# KiCad board AMC_FMC_Carrier-PcbDoc.kicad_pcb (continued)
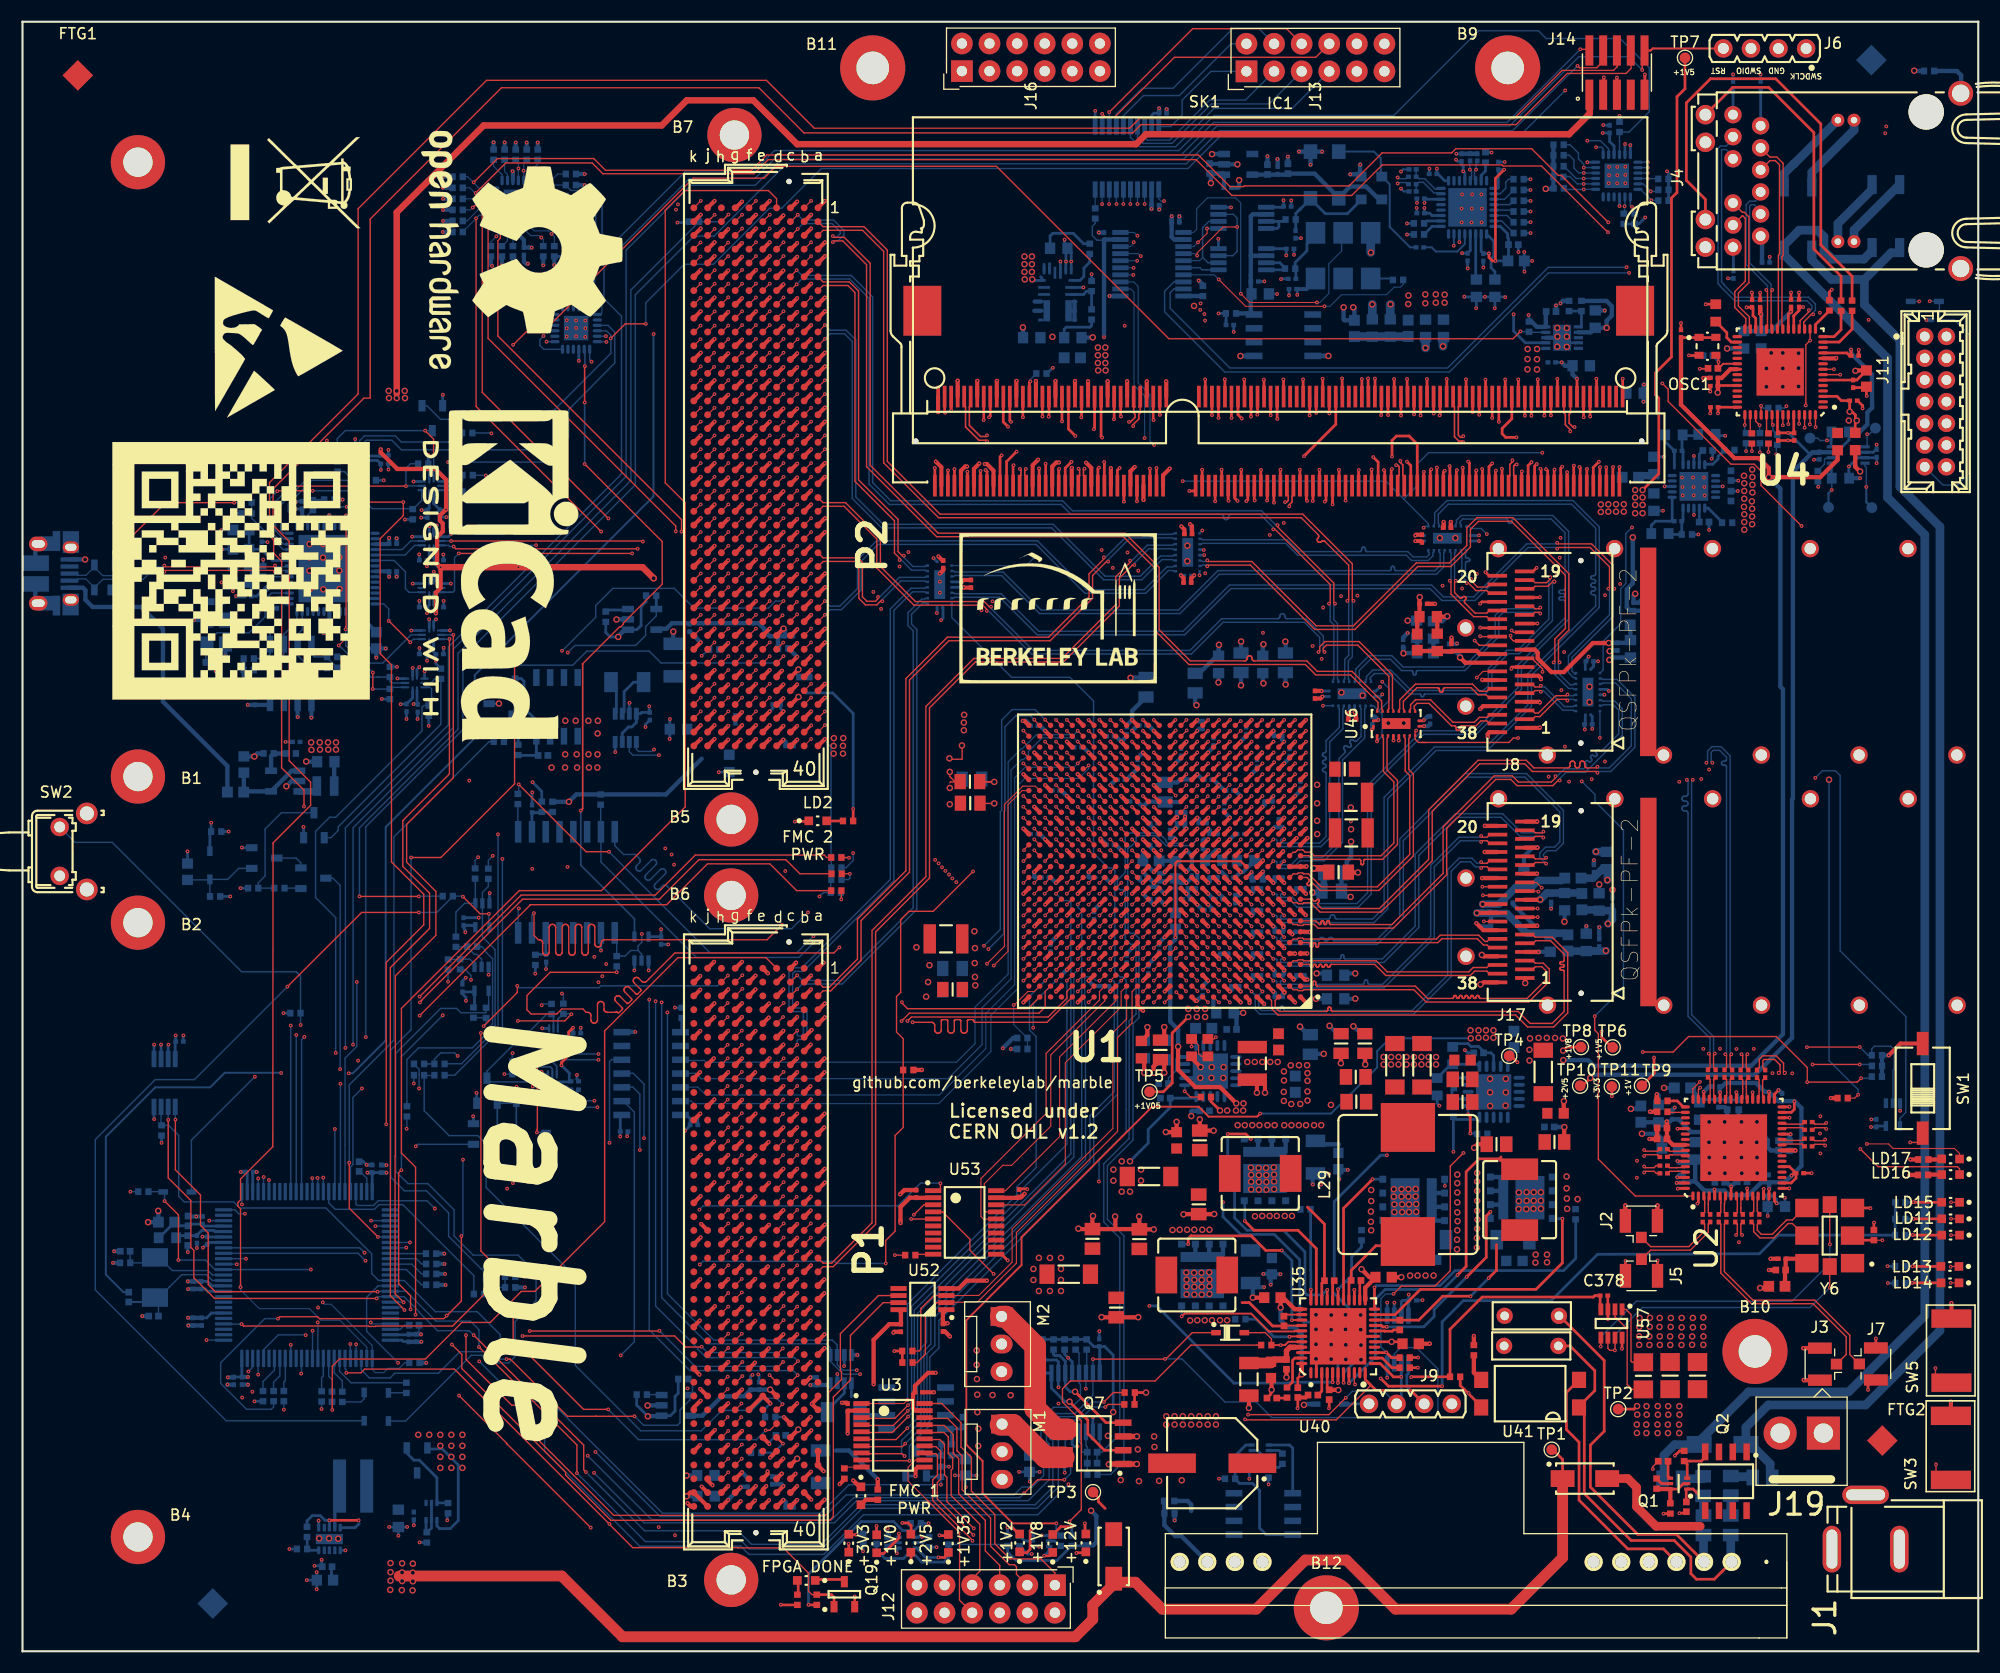
[diagram p0: board, top side]
## Routing (per net, layer and track width the routed paths; a pad name or vN(x,y) marks a point on that pad's centre or on a via; arc(x,y) is an arc through that point) (continued)
FMC2_LA_23_N: length 58.3
  Top w0.11: U1.H24 v1(94.12,66.73)
  Top w0.112: P2.D24 v1(70.04,104.3)
  In2.Cu w0.1: v1(70.04,104.3) 70.53,104.79 72.74,104.79 73.07,104.45 73.07,83.66 73.4,83.34 73.4,79.4 73.95,78.85 73.95,76.58 83.44,67.08 94.27,67.08 94.49,66.86 94.49,66.76 94.46,66.73 v1(94.12,66.73)
FMC2_LA_23_P: length 58.7
  Top w0.11: U1.H23 v1(95.12,66.73)
  Top w0.112: P2.D23 v1(70.04,105.57)
  In2.Cu w0.1: v1(95.12,66.73) 94.79,66.73 94.72,66.8 94.72,67.05 94.39,67.37 83.56,67.37 74.24,76.7 74.24,78.97 73.69,79.52 73.69,83.46 73.36,83.78 73.36,104.57 72.86,105.08 70.53,105.08 v1(70.04,105.57)
FMC2_LA_24_N: length 55.1
  Top w0.11: U1.J25 v1(93.12,67.73)
  Top w0.112: P2.H29 v1(64.96,97.95)
  In7.Cu w0.1: v1(93.12,67.73) 93.41,67.73 93.47,67.79 93.47,67.9 93.29,68.09 84.38,68.09 79.34,73.13 79.34,74.2 77.1,76.44 77.1,84.98 75.44,86.65 75.44,96.98 73.99,98.44 65.45,98.44 v1(64.96,97.95)
FMC2_LA_24_P: length 55.6
  Top w0.11: U1.J24 v1(94.12,67.73)
  Top w0.112: P2.H28 v1(64.96,99.22)
  In7.Cu w0.1: v1(94.12,67.73) 93.83,67.73 93.76,67.79 93.76,68.02 93.41,68.38 84.5,68.38 79.63,73.25 79.63,74.32 77.39,76.56 77.39,85.1 75.73,86.77 75.73,97.1 74.11,98.73 65.45,98.73 v1(64.96,99.22)
FMC2_LA_25_N: length 66.7
  Top w0.11: U1.D24 v1(94.12,62.73)
  Top w0.112: P2.G28 v1(66.23,99.22)
  In2.Cu w0.1: v1(66.23,99.22) 66.23,99.6 66.12,99.71 65.87,99.71 65.71,99.55 65.71,83.5 66.51,82.71 68.9,82.71 69.45,82.16 69.45,70.57 70.1,69.92 72.08,69.92 82.89,59.11 87.67,59.11 89.94,61.37 94.38,61.37 94.47,61.47 94.47,62.38 v1(94.12,62.73)
FMC2_LA_25_P: length 68.2
  Top w0.11: U1.D23 v1(95.12,62.73)
  Top w0.112: P2.G27 v1(66.23,100.49)
  In2.Cu w0.1: v1(95.12,62.73) 94.76,62.38 94.76,61.35 94.5,61.08 90.06,61.08 87.79,58.82 82.77,58.82 71.96,69.63 69.98,69.63 69.16,70.45 69.16,82.04 68.78,82.42 66.39,82.42 65.42,83.38 65.42,99.67 65.75,100 66.12,100 66.23,100.1 v1(66.23,100.49)
FMC2_LA_26_N: length 55.1
  Top w0.11: 92.61,64.23 92.13,63.74
  Top w0.112: P2.D27 v1(70.04,100.49)
  In2.Cu w0.1: 92.13,63.74 92.35,63.96 92.35,64.05 92.31,64.09 89.61,64.09 89.41,63.89 81.91,63.89 71.87,73.93 71.87,76.91 71.29,77.49 71.29,82.83 70.55,83.56 70.55,100.75 70.32,100.98 70.13,100.98 70.04,100.88 v1(70.04,100.49)
  vias: v1(92.13,63.73)
FMC2_LA_26_P: length 55.7
  Top w0.11: v1(93.14,64.73) 93.62,65.21 93.62,65.24
  Top w0.112: P2.D26 v1(70.04,101.76)
  In2.Cu w0.1: v1(93.14,64.73) 92.78,64.38 89.49,64.38 89.29,64.18 82.03,64.18 72.16,74.05 72.16,77.03 71.58,77.61 71.58,82.95 70.84,83.68 70.84,100.87 70.44,101.27 70.15,101.27 70.04,101.37 v1(70.04,101.76)
FMC2_LA_27_N: length 57.7
  Top w0.11: U1.G21 v1(97.12,65.73)
  Top w0.112: P2.C27 v1(71.31,100.49)
  In2.Cu w0.1: v1(97.12,65.73) 96.76,66.09 89.89,66.09 89.24,65.43 83.17,65.43 76.47,72.12 75.61,72.12 73.02,74.71 73.02,77.72 72.29,78.45 72.29,83.12 71.78,83.62 71.78,87.5 71.9,87.62 71.9,90.59 71.78,90.71 71.78,100.83 71.64,100.98 71.41,100.98 71.31,100.87 v1(71.31,100.49)
FMC2_LA_27_P: length 57.7
  Top w0.11: U1.H21 v1(97.12,66.73)
  Top w0.112: P2.C26 v1(71.31,101.76)
  In2.Cu w0.1: v1(71.31,101.76) 71.31,101.38 71.42,101.27 71.76,101.27 72.07,100.95 72.07,90.83 72.19,90.71 72.19,87.5 72.07,87.38 72.07,83.74 72.58,83.24 72.58,78.57 73.31,77.84 73.31,74.83 75.73,72.41 76.59,72.41 83.29,65.72 89.12,65.72 89.77,66.38 96.76,66.38 v1(97.12,66.73)
FMC2_LA_28_N: length 53.1
  Top w0.11: 92.64,66.24 92.64,66.23 v1(92.14,65.73)
  Top w0.112: P2.H32 v1(64.96,94.14)
  In7.Cu w0.1: v1(64.96,94.14) 65.45,94.63 66.35,94.63 66.76,94.21 66.76,93.74 67.19,93.31 72.82,93.31 73.07,93.07 73.07,81.76 73.71,81.12 73.71,74.41 75.94,72.17 77.32,72.17 84.03,65.46 88.41,65.46 89.03,66.08 92.33,66.08 92.49,65.92 92.49,65.82 92.4,65.73 v1(92.14,65.73)
FMC2_LA_28_P: length 53.6
  Top w0.11: v1(93.14,65.73) 93.64,66.23 93.64,66.24
  Top w0.112: P2.H31 v1(64.96,95.41)
  In7.Cu w0.1: v1(64.96,95.41) 65.45,94.92 66.47,94.92 67.05,94.33 67.05,93.86 67.31,93.6 72.95,93.6 73.36,93.19 73.36,81.88 74,81.24 74,74.53 76.06,72.46 77.44,72.46 84.15,65.75 88.29,65.75 88.91,66.37 92.45,66.37 92.78,66.04 92.78,65.78 92.83,65.73 v1(93.14,65.73)
FMC2_LA_29_N: length 50.5
  Top w0.11: v1(92.13,66.73) 92.61,67.21 92.62,67.21
  Top w0.112: P2.G31 v1(66.23,95.41)
  In7.Cu w0.1: v1(66.23,95.41) 66.72,95.9 67.62,95.9 67.89,95.62 67.89,95.06 68.26,94.69 72.87,94.69 73.16,94.4 73.16,93.88 73.61,93.43 74.12,93.43 74.56,92.99 74.56,86.12 76.14,84.54 76.14,81.38 75.74,80.98 75.74,75.19 83.85,67.08 91.77,67.08 v1(92.13,66.73)
FMC2_LA_29_P: length 50.5
  Top w0.11: 92.61,68.22 v1(92.13,67.73)
  Top w0.112: P2.G30 v1(66.23,96.68)
  In7.Cu w0.1: v1(66.23,96.68) 66.72,96.19 67.74,96.19 68.18,95.74 68.18,95.18 68.38,94.98 72.99,94.98 73.45,94.52 73.45,94 73.73,93.72 74.24,93.72 74.85,93.11 74.85,86.24 76.43,84.66 76.43,81.26 76.03,80.86 76.03,75.31 83.97,67.37 91.77,67.37 v1(92.13,67.73)
FMC2_LA_30_N: length 50.4
  Top w0.11: 92.62,62.21 92.6,62.21 v1(92.13,61.73)
  Top w0.112: P2.H35 v1(64.96,90.33)
  In7.Cu w0.1: v1(64.96,90.33) 65.45,90.82 69.85,90.82 70.59,90.08 70.59,78.68 71.54,77.72 71.54,73.59 82.89,62.23 85.68,62.23 86.01,62.56 88.05,62.56 88.53,62.08 91.77,62.08 v1(92.13,61.73)
FMC2_LA_30_P: length 50.4
  Top w0.11: 92.62,63.22 v1(92.13,62.73)
  Top w0.112: P2.H34 v1(64.96,91.6)
  In7.Cu w0.1: v1(64.96,91.6) 65.45,91.11 69.97,91.11 70.88,90.2 70.88,78.8 71.83,77.84 71.83,73.71 83.01,62.52 85.56,62.52 85.89,62.85 88.17,62.85 88.65,62.37 91.77,62.37 v1(92.13,62.73)
FMC2_LA_31_N: length 55.6
  Top w0.11: U1.E22 v1(96.12,63.73)
  Top w0.112: P2.G34 v1(66.23,91.6)
  In7.Cu w0.1: v1(96.12,63.73) 96.47,64.09 96.47,64.98 96.37,65.09 91.18,65.09 90,63.91 83.87,63.91 76.97,70.82 75.9,70.82 72.58,74.14 72.58,78.56 71.8,79.34 71.8,87.52 71.9,87.62 71.9,90.59 71.8,90.69 71.8,91.8 71.52,92.09 66.72,92.09 v1(66.23,91.6)
FMC2_LA_31_P: length 56.1
  Top w0.11: U1.E21 v1(97.12,63.73)
  Top w0.112: P2.G33 v1(66.23,92.87)
  In7.Cu w0.1: v1(97.12,63.73) 96.76,64.09 96.76,65.1 96.49,65.38 91.06,65.38 89.88,64.2 83.99,64.2 77.09,71.11 76.02,71.11 72.87,74.26 72.87,78.68 72.09,79.46 72.09,87.4 72.19,87.5 72.19,90.71 72.09,90.81 72.09,91.92 71.64,92.38 66.72,92.38 v1(66.23,92.87)
FMC2_LA_32_N: length 55.7
  Top w0.11: v1(98.12,59.74) 98.62,60.24 98.63,60.24
  Top w0.112: P2.H38 v1(64.96,86.52)
  In7.Cu w0.1: v1(64.96,86.52) 65.45,87.01 67.6,87.01 68.07,86.53 68.07,83.02 68.58,82.51 68.58,70.98 70.62,68.95 72.44,68.95 82.05,59.35 89.09,59.35 89.84,60.09 97.77,60.09 v1(98.12,59.74)
FMC2_LA_32_P: length 55.7
  Top w0.11: 98.63,61.24 98.62,61.24 v1(98.12,60.74)
  Top w0.112: P2.H37 v1(64.96,87.79)
  In2.Cu w0.079: v1(64.96,87.79) 64.95,87.78
  In7.Cu w0.1: v1(64.96,87.79) 65.45,87.3 67.72,87.3 68.36,86.65 68.36,83.14 68.87,82.63 68.87,71.1 70.74,69.24 72.56,69.24 82.17,59.64 88.97,59.64 89.72,60.38 94.95,60.38 94.95,60.38 97.77,60.38 v1(98.12,60.74)
FMC2_LA_33_N: length 52.9
  Top w0.11: v1(97.12,60.74) 97.13,60.74 U1.B21
  Top w0.112: v1(66.23,87.79) P2.G37 65.59,87.18
  In7.Cu w0.1: v1(66.23,87.79) 66.72,88.28 68.91,88.28 69.28,87.9 69.28,83.34 69.77,82.85 69.77,73.82 74.78,68.82 74.78,68.39 82.38,60.8 85.24,60.8 85.68,60.35 88.56,60.35 89.3,61.09 96.77,61.09 v1(97.12,60.74)
FMC2_LA_33_P: length 52.9
  Top w0.11: U1.C21 v1(97.12,61.73)
  Top w0.112: 65.62,88.42 P2.G36 v1(66.23,89.06)
  In7.Cu w0.1: v1(66.23,89.06) 66.72,88.57 69.03,88.57 69.57,88.02 69.57,83.46 70.06,82.97 70.06,73.94 75.07,68.94 75.07,68.51 82.5,61.09 85.36,61.09 85.8,60.64 88.44,60.64 89.18,61.38 96.77,61.38 v1(97.12,61.73)
MGTAVCC: length 16.7
  Top w0.254: v2(107.29,58.39) 105.81,56.91 105.81,52.31 105,51.5 TP5.1
  Top w0.381: U1.G6 v1(113.12,65.73) ; U1.L6 v1(113.12,69.73) ; U1.E6 v1(113.12,63.73) ; U1.J6 v1(113.12,67.73) ; U1.C6 v1(113.12,61.73)
  Bottom w0.381: C219.1 113.27,67.88 v1(113.12,67.73) ; v1(113.12,69.73) 113.27,69.88 C381.1 ; v1(113.12,65.73) 113.27,65.88 C4.1 ; v1(113.12,63.73) 113.27,63.88 C217.1 ; C221.1 113.27,61.88 v1(113.12,61.73)
  Bottom w0.4: 109.6,59.91 109.6,59.1 109.87,58.83 C1.1
  vias: v2(107.29,59.13) v2(108.08,59.13) v2(108.08,58.39) v2(108.84,59.13) v2(108.84,58.39)
MGTAVTT: length 97.7
  Top w0.178: v1(113.91,49.5) 113.63,49.22 109.17,49.22 108.25,50.13 103.96,50.13 91.95,38.12 91.95,35.56 86.87,30.48 86.87,19.02 88.36,17.52 88.36,14.54 91.13,11.78 v1(95.15,11.78)
  Top w0.381: U1.M3 v1(116.12,70.73) ; U1.L2 v1(117.12,69.73) ; v1(117,61.83) 117,61.85 U1.C2 ; v1(116.15,60.64) 116.15,60.7 U1.B3 ; 114.13,71.74 113.87,71.48 113.87,71.48 U1.M5 ; v1(116.05,66.66) 116.05,66.8 U1.H3 ; v1(116.87,65.99) 116.64,66.23 U1.G2 ; U1.D3 116.12,62.73 116.12,62.7 v1(116.1,62.68)
  Bottom w0.178: R253.1 95.15,11.05 v1(95.15,11.78) ; v1(113.91,49.5) 120.43,49.5 124.67,53.74 124.67,55.25 125.85,56.42 v2(133.29,56.42)
  Bottom w0.381: v1(116.12,70.73) 115.97,70.88 C380.1 ; v1(117.12,69.73) 117.27,69.88 C234.1 ; v1(116.87,65.99) 117.11,66.23 C232.1 ; v1(117,61.83) 117.27,62.1 C230.1 ; C225.1 v2(119.05,60.06) ; 120.05,62.4 v2(119.1,62.4)
  Bottom w0.4: C236.1 115.97,60.45 v1(116.15,60.64) ; v1(116.1,62.68) 116.1,62.36 C238.1 ; C228.1 116.05,66.31 v1(116.05,66.66) ; R161.2 114.16,71.77 v1(114.16,71.77)
  vias: v2(133.27,57.16) v2(134,57.16) v2(134,56.47) v2(134.69,57.16) v2(134.69,56.47) v2(135.38,57.16) v2(135.38,56.47)
VTT_DDR3: length 3.4
  Top w0.254: v1(147.28,117.14) 147.27,117.12 SK1.204 ; v1(146.99,109.01) 146.97,108.99 SK1.203
Net-(C28-Pad1): length 4.7
  Top w0.4: Y6.6 163.82,36.13 C29.1 162.27,36.11 C28.1 162.22,35.04 L19.2
Net-(C38-Pad1): length 3.7
  Bottom w0.254: U30.2 46.89,77.19 C38.1 47.72,77.2 R224.2 47.8,77.26 R225.2
Net-(C39-Pad1): length 3
  Bottom w0.254: U30.14 48.16,64.18 C39.1 47.24,64.15 R227.2
Net-(C42-Pad2): length 16.1
  Top w0.254: U4.38 156.04,116.51 156.04,116.52 ; U4.26 159.52,122.69 159.27,122.94 159.27,123.69 ; v1(158.68,123.71) 158.68,123.71 C52.1 ; U4.3 167,115.51 167.4,115.12 C46.1 168.16,114.33 168.69,113.8 168.69,113.33 168.68,113.32 C42.2 ; 163.51,123.56 163.51,123.42 163.02,122.93 U4.19 ; C48.1 163.51,123.73 v1(163.88,123.73)
  Top w0.4: U4.35 157.18,118.01 156.37,117.2 156.04,117.2 156.04,115.88 v2(156.02,115.86)
  vias: v2(168.08,113.29) v2(168.16,114.11) v2(168.82,113.29)
Net-(C47-Pad2): length 11.5
  Top w0.254: 162.72,123.68 C51.1 ; U4.20 162.52,123.07 v1(162.75,123.3) ; U4.25 160.02,122.88 160,122.89 v1(160,123.07) 160,123.69
  Top w0.4: C51.1 162.77,123.32 v1(162.75,123.3) ; C49.1 159.92,123.15 v1(160,123.07)
  Bottom w0.4: v1(162.75,123.3) 160.98,121.53 C47.2 ; C47.2 160.02,123.06 v1(160,123.07) ; C47.2 160,121.52 L4.2
Net-(C58-Pad1): length 2.4
  Bottom w0.254: J4.7 157.43,141.45 C58.1
Net-(C59-Pad1): length 3.4
  Bottom w0.254: C59.1 159.97,140.43 J4.1
Net-(C60-Pad1): length 2.7
  Bottom w0.254: 160.13,130.11 J4.6
  Bottom w0.4: J4.6 160.1,130.13 C60.1
Net-(C71-Pad2): length 4.1
  Bottom w0.254: U47.16 152.83,110.4 C71.2 152.73,111.89 152.72,111.9 154.15,111.9
Net-(C73-Pad1): length 1.4
  Bottom w0.254: U47.19 154.33,110.21 C73.1
Net-(C75-Pad2): length 3.7
  Bottom w0.254: R70.2 151.58,102.81 R71.1 152.71,104.02 C75.2 152.83,104.15 U47.10
Net-(C77-Pad2): length 1.3
  Bottom w0.254: C77.2 154.33,103.96 U47.7
Net-(C93-Pad1): length 10.4
  Bottom w0.127: U54.13 17.47,34.64 17.07,35.04 13.79,35.04 12.38,36.45 ; C93.1 9.9,35.77 R132.1 11.69,35.75 Y5.2
Net-(C102-Pad1): length 11.7
  Bottom w0.127: 11.79,32.15 Y5.1 12.51,32.23 C92.1 ; U54.12 17.46,34.14 16.94,34.66 14.65,34.66 12.37,32.38
  Bottom w0.178: C102.1 11.79,32.15
Net-(C106-Pad1): length 14.4
  Bottom w0.4: 113.04,123.03 113.04,126.67 113.04,126.68 113.04,132.09 113.23,132.27 U19.2
  Bottom w0.402: 114.48,128.47 U16.2 114.26,128.46 114.26,128.46 113.04,128.46 ; 113.76,123.05 U14.8 113.25,123.15 R58.1 ; C106.1 113.33,124.73
Net-(C107-Pad1): length 13.8
  Bottom w0.402: U13.5 116.37,135.92 C107.1 118.92,136.02 121.14,133.8 ; 121.14,133.8 Y2.4 ; 121.14,133.8 122.17,134.82 123.67,134.82 125.01,133.49 125.01,133.45
Net-(C111-Pad1): length 5
  Bottom w0.802: L12.1 127.52,121.01 L11.2
Net-(C114-Pad1): length 5.2
  Bottom w0.178: U20.21 132.75,129.54 132.06,128.85 130.08,128.85 129.69,129.23 C114.1
Net-(C114-Pad2): length 14
  Bottom w0.178: Y2.3 124.38,138.05 125.01,137.42 125.01,135.87 125.83,135.04 125.83,131.11 127.71,129.23 C114.2
Net-(C120-Pad1): length 4.2
  Bottom w0.254: U20.19 133.75,126.33 C120.1
Net-(C121-Pad1): length 4.7
  Bottom w0.254: C121.1 135.51,127 135.16,127.35 135.16,128.18 135.41,128.43 135.41,129.8 U20.17
Net-(C123-Pad1): length 20
  Top w0.254: v1(136.36,136.38) 135.56,135.58 v1(135.56,127.98) 135.29,127.98 134.97,128.31 v1(134.97,128.67)
  Bottom w0.254: v1(134.97,128.67) 134.96,128.66 C126.1 134.25,128.86 U20.18 ; U20.9 135.75,134.66 135.83,134.74 C210.1 136.36,136.38 v1(136.36,136.38) ; v1(135.56,127.98) L26.1 136.76,128.03 C123.1 136.76,130.05 136.68,130.13 136.68,130.48 136,131.16 U20.16
Net-(C127-Pad1): length 12.8
  Top w0.254: U35.16 126.83,28.49 C127.1 ; U35.4 120.08,24.25 C140.1
  Top w0.4: v2(121.1,24.04) 121.08,24.07 C140.1
  In2.Cu w0.4: v2(126.01,28.49) 126.01,26.94 123.11,24.04 v2(121.1,24.04)
Net-(C128-Pad1): length 14
  Top w0.254: 153.12,13.62 153.12,14.84 Q1.1 153.75,14.93 154.26,14.43
  Top w0.8: 154.41,11.51 150.35,11.51 148.55,13.31 148.55,15.09 147.74,15.9 D4.2
Net-(C129-Pad1): length 131.2
  Top w0.254: D4.1 141.74,17.65 140.84,18.56 TP1.1
  Top w1: 34.67,6.92 49.63,6.92 55.22,1.34 96.9,1.34 98.5,2.94 98.5,4.25 100.43,6.18 100.43,6.35 ; 100.43,6.35 102.42,6.35 104.9,3.88 113.54,3.88 118.06,8.4 121.85,8.4 126.37,3.88 137,3.88 141.74,8.62 D4.1 ; 100.43,6.35 D12.1
  Bottom w0.254: 28.44,7.86 28.44,6.69 C129.1
  vias: v2(33.87,8.12) v2(33.87,7.28) v2(33.87,6.49) v2(33.84,5.65) v2(34.93,8.09) v2(34.93,7.25) v2(34.93,6.47) v2(34.91,5.63) v2(35.93,8.07) v2(35.93,7.23) v2(35.93,6.44) v2(35.9,5.6)
Net-(C132-Pad1): length 8.2
  Top w0.254: v1(28.24,12.06) v1(30.93,12.06)
  Bottom w0.254: R109.1 26.18,12 26.67,12.49 27.4,12.49 27.84,12.06 v1(28.24,12.06) U18.8 ; U18.10 30.61,11.38 30.99,11.75
Net-(C134-Pad2): length 3.6
  Bottom w0.254: R213.2 85.51,20.32 85.37,20.46 Q16.4 86.38,20.46 C134.2
Net-(C135-Pad2): length 3.7
  Bottom w0.254: Q23.4 47.29,82.62 C135.2 45.65,82.46 R214.2
Net-(C138-Pad2): length 2.2
  Top w0.254: U35.3 119.58,23.95 C138.2
Net-(C143-Pad1): length 6.6
  Top w0.254: v1(137.59,54.22) 137,54.8 TP4.1
  Bottom w0.13: 135.41,54.14 135.33,54.21
  Bottom w0.254: 131.63,55.59 R168.1 131.93,55.93 133.04,55.93 133.31,55.67 134.02,55.67 134.47,55.22 C143.1 135.15,55.09 135.39,54.84 U36.18
Net-(C144-Pad1): length 26.6
  Top w0.254: v2(117.73,25.49) 117.37,25.14 C362.1
  Top w0.4: v2(123.24,35.17) 123.97,34.43 C361.1 124.52,34.41 123.58,33.47 U35.23 123.58,32.57 ; v2(115.8,31.64) 115.8,32.54 C144.1 116.02,32.55 117.09,31.49 U35.34 117.35,31.49 ; v2(117.73,25.49) 117.73,25.49 U35.44
  In2.Cu w0.4: v2(115.8,31.64) 119.33,35.17 v2(123.24,35.17)
  Bottom w0.4: v2(115.8,31.64) 115.8,30.47 116.43,29.84 117.07,29.84 117.73,29.18 v2(117.73,25.49)
Net-(C162-Pad1): length 7.7
  Bottom w0.4: U22.1 24.78,81.05 U22.4 20.42,79.15 L10.2 20.37,79.1 C162.1
Net-(C165-Pad1): length 9.7
  Bottom w0.127: U23.4 22.86,97.91 22.08,97.13 22.08,96.93 21.89,96.74 21.89,95.61 21.2,94.92 Y4.1 18.28,95.32 C165.1
Net-(C167-Pad1): length 7.5
  Bottom w0.127: 21.07,98.91 20.86,98.71 C167.1
  Bottom w0.254: L24.2 21.07,99.71 C174.1 21.55,97.12 22.84,98.41 U23.5
Net-(C168-Pad1): length 5.9
  Bottom w0.254: U23.9 23.01,100.41 21.98,101.44 C168.1 L25.2
Net-(C171-Pad1): length 12.2
  Bottom w0.127: U23.3 22.92,97.41 22.32,96.82 22.32,95.22 20.86,93.75 17.91,93.75 16.98,92.82 Y4.3 16.87,92.61 C171.1
Net-(C188-Pad2): length 6.6
  Bottom w0.127: C188.2 97.56,18.33 97.48,18.41 97.48,19.06 97.24,19.3 U27.12 ; C188.2 98,18.81 97.88,18.93 U27.11 ; C188.2 C189.2 98,16.28 R129.2 97.88,16.4
Net-(C307-Pad2): length 1.9
  Bottom w0.127: C307.2 35.15,30.01 34.78,29.64 U54.73
Net-(C308-Pad1): length 4.7
  Bottom w0.254: R3.2 14.33,38.26 15.21,38.26 15.21,38.26 C310.1 16.05,38.29 16.5,38.74 17.6,38.74 17.71,38.64 U54.21
Net-(C309-Pad2): length 2.2
  Bottom w0.127: 31.68,42.31 31.68,43.54 31.05,44.17 C309.2
Net-(C322-Pad2): length 44.6
  Top w0.254: U2.15 160.74,42.55 v1(160.75,42.56) ; 162.36,44.61 U2.21 162.62,44.61 C323.1 ; U2.18 162.78,43.11 163.22,43.55 C323.1 ; U2.59 152.34,45.11 v1(152.32,45.13) ; v1(162.81,43.78) 163.04,44.01 C323.1 ; U2.31 162.8,49.61 163.07,49.88 v1(163.07,50.61) ; v1(160.73,51.5) 160.74,51.49 U2.34 ; U2.43 156.24,51.44 v1(156.23,51.45) ; v1(152.24,43.12) 152.26,43.11 U2.63 ; v1(155.72,42.51) 155.74,42.5 U2.5
  Bottom w0.4: C322.2 153.65,44.97 152.47,44.97 v1(152.32,45.13) ; C322.2 153.95,43.25 ; C322.2 153.65,45.27 152.63,46.29 L6.2 ; 153.95,43.25 153.55,43.25 153.45,43.15 C325.1 152.82,43.12 v1(152.24,43.12) ; 153.95,43.25 154.78,42.41 156.64,42.41 157.07,41.98 158.85,41.98 160.04,43.17 162.2,43.17 163.73,44.69 163.73,50 163.09,50.64 C357.1 161.59,50.64 v1(160.73,51.5) 160.35,51.5 159.53,52.31 156.74,52.31 156.41,51.98 C329.1 156.2,51.48 v1(156.23,51.45) ; C326.1 160.75,43.1 v1(160.75,42.56)
Net-(C350-Pad1): length 6.5
  Top w0.254: 99.64,13.15 99.02,13.77 99.02,14.15 TP3.1
  Bottom w0.254: Q22.1 113.13,17.58 112.91,17.36 112.91,15.88 v1(112.91,15.88)
  Bottom w0.4: R197.1 107.24,13.83 107.56,13.51 107.56,12.91
Net-(C352-Pad1): length 2.2
  Bottom w0.254: J4.12 157.46,129.21 C352.1
Net-(C353-Pad1): length 37.2
  Top w0.254: 143.74,22.52 143.74,14.51 148.05,10.2 152.02,10.2 153.55,8.67 153.55,7.15 154.06,6.63 155.71,6.63 U40.1 ; U41.1 143.25,22.54 144.7,23.99 144.7,25.83 142.43,28.11 C353.1
  Bottom w0.8: U40.1 157.22,8.31 L39.2
Net-(C354-Pad1): length 33.8
  Top w0.254: 141.46,30.88 145.57,26.76 145.57,20.25 144.3,18.98 144.3,15.11 148.65,10.76 152.22,10.76 U40.2
  Bottom w0.8: L40.2 154.71,8.27 U40.2
Net-(C360-Pad1): length 8.2
  Bottom w0.127: D16.2 17.2,71.01 C360.1 ; D16.2 18.89,71.06 19.9,72.07 Q18.1 ; D16.2 17.24,69.23
Net-(C374-Pad1): length 4
  Top w0.178: U4.34 156.53,118.51 156.08,118.07 156.08,119.05 155.85,119.27
  Bottom w0.178: 155.63,119.26 155.63,119.14 v1(156.09,118.68)
Net-(C383-Pad1): length 0.8
  Top w0.102: v1(109.83,56.53) 109.67,56.37 R195.1
Net-(C393-Pad1): length 1.3
  Bottom w0.254: C393.1 131.78,52.79 U36.15
Net-(C394-Pad1): length 3.4
  Bottom w0.127: C394.1 105.47,52.76 106.15,53.44 106.15,54.51 106.35,54.71 U37.15
Net-(D2-Pad2): length 18.9
  Top w0.127: D2.2 113.95,29.33 113.96,29.34 114.38,29.34 114.94,28.77 R245.1
  Top w0.178: U35.40 116.51,28.49 116.2,28.18 R245.1
  In2.Cu w0.127: J9.1 121.21,22.77 v1(115.8,28.18)
  Bottom w0.254: D5.2 121.64,22.77 J9.1
Net-(D6-Pad3): length 138
  Bottom w0.8: 172.7,128.74 171.99,128.74 169.52,126.27 ; D6.3 164.68,128.08 166.49,126.27 169.52,126.27 ; D8.1 158.61,20.62 160.67,22.67 169.63,22.67 176.47,29.51 176.47,103.51 172.79,107.2 172.79,120.68 169.52,123.95 169.52,126.27 ; 158.31,19.02 159.09,19.02 160.85,17.25 160.85,15.96
Net-(D6-Pad4): length 146.5
  Bottom w0.8: D7.4 170.22,128.91 169.46,128.15 166.55,128.15 165.8,128.9 165.8,130.21 165.2,130.81 163.52,130.81 162.14,129.43 D6.4 162.14,128.53 171.65,119.03 171.65,106.2 175.08,102.77 175.08,30.89 168.07,23.88 158.87,23.88 154.01,19.02 152.06,19.02 151.08,18.04 151.08,15.95
Net-(D13-Pad4): length 48
  Top w0.127: v1(19.48,105.73) 13.15,105.73 v2(8.53,101.11)
  Top w0.254: v1(8.58,96.13) 8.53,96.18 v2(8.53,101.11)
  Bottom w0.127: R112.1 20.13,105.73 v1(19.48,105.73)
  Bottom w0.4: D13.4 8.52,101.09 v2(8.53,101.11) ; J10.1 5.55,97.9 5.79,97.67 5.79,96.79 6.45,96.13 v1(8.58,96.13) ; v1(8.58,96.13) 10.92,96.13 12.93,94.12 12.93,87.42 18.86,81.49 18.86,79.15 18.82,79.11 ; v1(8.58,96.13) 8.73,96.13
Net-(D14-Pad2): length 9.2
  Bottom w0.15: 45.39,50.45 R246.2 45.45,47.89 D14.2 45.45,47.62 Q5.3 43.7,47.73 Q17.1 45.39,50.45
Net-(D17-Pad1): length 91
  Top w0.127: v1(36.47,68.01) 31.21,68.01 v1(24.38,61.18) ; v1(40.54,69.46) 42.11,67.88 v1(42.92,67.88)
  Bottom w0.127: v1(36.47,68.01) 38.13,68.01 39.61,69.49 R276.2 40.48,69.51 v1(40.54,69.46) ; v1(24.38,61.18) 15.82,52.62 12.21,52.62 6.7,47.11 6.7,33.26 18.75,21.22 D17.1 ; v1(42.92,67.88) 42.92,66.7 U7.4
Net-(D18-Pad1): length 64.5
  Bottom w0.127: D18.1 35.25,21.19 41.3,27.24 42.29,27.24 42.98,26.55 44.74,26.55 45.34,27.14 45.34,30.34 47.27,32.27 47.27,34.81 45.62,36.46 41.48,36.46 39.72,38.22 39.72,40.63 37.31,43.04 35.48,43.04 34.35,44.17 34.35,55.04 38.48,59.17 39.95,59.17 40.35,58.78 42.63,58.78 42.67,58.82 R63.2 42.9,59.47 U10.4
Net-(J4-Pad17): length 29.2
  Top w0.254: R67.1 167.37,126.57 164.87,129.07 164.87,139.79 160.7,143.96 157.4,143.96 154.89,141.44
Net-(J4-Pad19): length 43.9
  Top w0.254: J4.19 154.89,133.65 153.13,135.4 153.13,142.54 155.35,144.75 161.36,144.75 165.5,140.6 165.5,129.45 168.39,126.57 R156.1
Net-(J4-Pad21): length 20.4
  In2.Cu w0.4: 178.42,127.32 178.42,143.45
  Bottom w0.4: R165.2 178.03,145.47 178.42,145.07 178.42,143.45
Net-(L13-Pad1): length 3.8
  Bottom w0.254: 28.74,15.12 28.78,15.15
  Bottom w0.3: U18.9 28.74,15.12
Net-(L23-Pad1): length 1.4
  Bottom w0.602: U22.3 26.86,79.15 26.87,79.16
Net-(L35-Pad2): length 1.7
  Bottom w0.8: 159.05,15.96 158.94,16.07 157.44,16.07
Net-(L36-Pad2): length 1.8
  Bottom w0.8: 154.68,15.88 152.95,15.88 152.88,15.95
Net-(L37-Pad2): length 1.5
  Bottom w0.8: L39.1 157.22,14.05
Net-(L38-Pad2): length 1.6
  Bottom w0.8: 154.68,14.08 154.71,14.05 L40.1
Net-(LD1-Pad2): length 1.7
  Top w0.4: 77.16,13.49 77.62,13.95 R235.2
Net-(LD2-Pad2): length 1.7
  Top w0.254: R236.2 73.82,76.43 73.78,76.39
Net-(LD3-Pad1): length 2.7
  Top w0.254: 73.04,6.61 75.43,6.61 Q19.3
Net-(LD3-Pad2): length 1.4
  Top w0.254: 71.39,6.61 71.39,5.28 R163.2
Net-(LD4-Pad2): length 1.4
  Top w0.254: 76.04,10.72 76.73,10.72 v1(76.74,10.73)
  Bottom w0.254: R248.2 77.28,10.73 v1(76.74,10.73)
Net-(LD5-Pad1): length 3.4
  Top w0.254: v1(80.67,10.84) 80.67,10.42 79.24,9 78.58,9
  Bottom w0.254: 80.66,10.52 80.67,10.53 v1(80.67,10.84)
Net-(LD5-Pad2): length 1.6
  Top w0.254: v1(78.6,11.53) 78.6,10.66 78.58,10.65
  Bottom w0.254: v1(78.6,11.53) 78.58,11.52 R249.2
Net-(LD6-Pad2): length 2.6
  Top w0.254: 81.79,10.65 81.79,11.55 81.52,11.81 v1(80.97,11.81)
  Bottom w0.254: R251.2 81.71,11.81 v1(80.97,11.81)
Net-(LD7-Pad1): length 3.5
  Top w0.254: 85.24,9 84.88,8.64 v1(84.3,8.64)
  Bottom w0.254: 82.24,9.52 83.12,8.64 v1(84.3,8.64)
Net-(LD7-Pad2): length 1.7
  Top w0.254: 85.24,10.65 84.41,10.65 v1(84.39,10.67)
  Bottom w0.254: R252.2 85.11,10.67 v1(84.39,10.67)
Net-(LD8-Pad1): length 3.7
  Top w0.254: 91.77,9.07 92.42,9.07 92.74,9.39 92.74,11.08 v1(92.91,11.26)
  Bottom w0.254: v1(92.91,11.26) 92.88,11.23 92.88,10.65
Net-(LD8-Pad2): length 2.2
  Top w0.254: 91.77,10.72 91.09,11.4 v1(90.65,11.4)
  Bottom w0.254: R254.2 90.66,11.38 v1(90.65,11.4)
Net-(LD9-Pad1): length 1.9
  Top w0.254: v1(94.03,8.79) 94.54,8.79 94.82,9.07
  Bottom w0.254: v1(94.03,8.79) 94.46,9.23 94.46,9.65
Net-(LD9-Pad2): length 2.9
  Top w0.254: v1(96.57,11.47) 95.57,11.47 94.82,10.72
  Bottom w0.254: R256.2 v1(96.57,11.47)
Net-(LD10-Pad2): length 2.2
  Top w0.254: v1(97.77,11.78) 97.79,11.76 97.79,10.72
  Bottom w0.254: R257.2 97.77,10.76 v1(97.77,11.78)
Net-(LD11-Pad2): length 3.4
  Top w0.254: LD11.2 v1(174.04,39.8)
  Bottom w0.254: R267.2 173.31,39.8 v1(174.04,39.8)
Net-(LD12-Pad2): length 3.4
  Top w0.254: LD12.2 173.97,38.31 v1(173.96,38.32)
  Bottom w0.254: v1(173.96,38.32) 173.3,38.32 R266.2
Net-(LD13-Pad1): length 249.4
  Top w0.102: v1(177.47,35.4) 177.49,35.42 LD13.1
  In2.Cu w0.127: v1(171.54,140.36) 168.6,143.3 152.73,143.3 150.42,140.99 135.37,140.99 133.28,143.08 95.13,143.08 90.09,138.04 69.06,138.04 67.07,136.05 58.25,136.05 48.03,125.82 48.03,124.11 47.44,123.52 47.44,121.09 47.98,120.55 v1(48.23,120.55)
  In9.Cu w0.127: v1(171.54,140.36) 171.56,140.36 172.15,139.78 172.15,77.68 176.73,73.09 176.73,44.25 178.37,42.61 178.37,36.3 v1(177.47,35.4)
  Bottom w0.127: U39.13 48.23,120.55 v1(48.23,120.55)
Net-(LD13-Pad2): length 3.3
  Top w0.254: v1(173.96,35.44) 173.97,35.42 LD13.2
  Bottom w0.254: v1(173.96,35.44) R264.2
Net-(LD14-Pad1): length 249.6
  Top w0.102: LD14.1 v1(177.47,33.91)
  In2.Cu w0.127: v1(47.95,121.07) 47.77,121.24 47.77,123.13 48.64,123.99 48.64,125.7 58.39,135.45 67.38,135.45 69.54,137.61 90.75,137.61 93.62,140.48 132.99,140.48 133.32,140.15 150.31,140.15 153.03,142.87 168.31,142.87 v1(171.44,139.73)
  In9.Cu w0.127: v1(177.47,33.91) 177.09,34.29 177.09,36.31 177.95,37.18 177.95,42.31 176.17,44.08 176.17,72.86 171.44,77.6 v1(171.44,139.73)
  Bottom w0.127: U39.12 47.98,119.85 47.62,120.21 47.62,120.74 v1(47.95,121.07)
Net-(LD14-Pad2): length 3.3
  Top w0.254: LD14.2 v1(173.91,33.91)
  Bottom w0.254: v1(173.91,33.91) 173.34,33.91 R265.2
Net-(LD15-Pad2): length 3.3
  Top w0.254: v1(174.04,41.34) 174.05,41.33 LD15.2
  Bottom w0.254: v1(174.04,41.34) 173.33,41.34 R268.2
Net-(LD16-Pad1): length 163.8